# Altium PCB TEBF0808ASCII.PcbDoc (part 4 of 10)
Units mm, origin at the board's own origin, x right, y up, seen from the top; angles counter-clockwise.
Board outline 170 x 170 mm, 16 copper layers (L 01, L 02 G, L 03 S, L 04 G, L 05 S, L 06 G, L 07 P, L 08 P, L 09 P, L 10 P, L 11 G, L 12 S, L 13 G, L 14 S, L 15 G, L 16), stack 1.774 mm thick; 609 components, 869 nets, 3941 pads, 2358 vias.
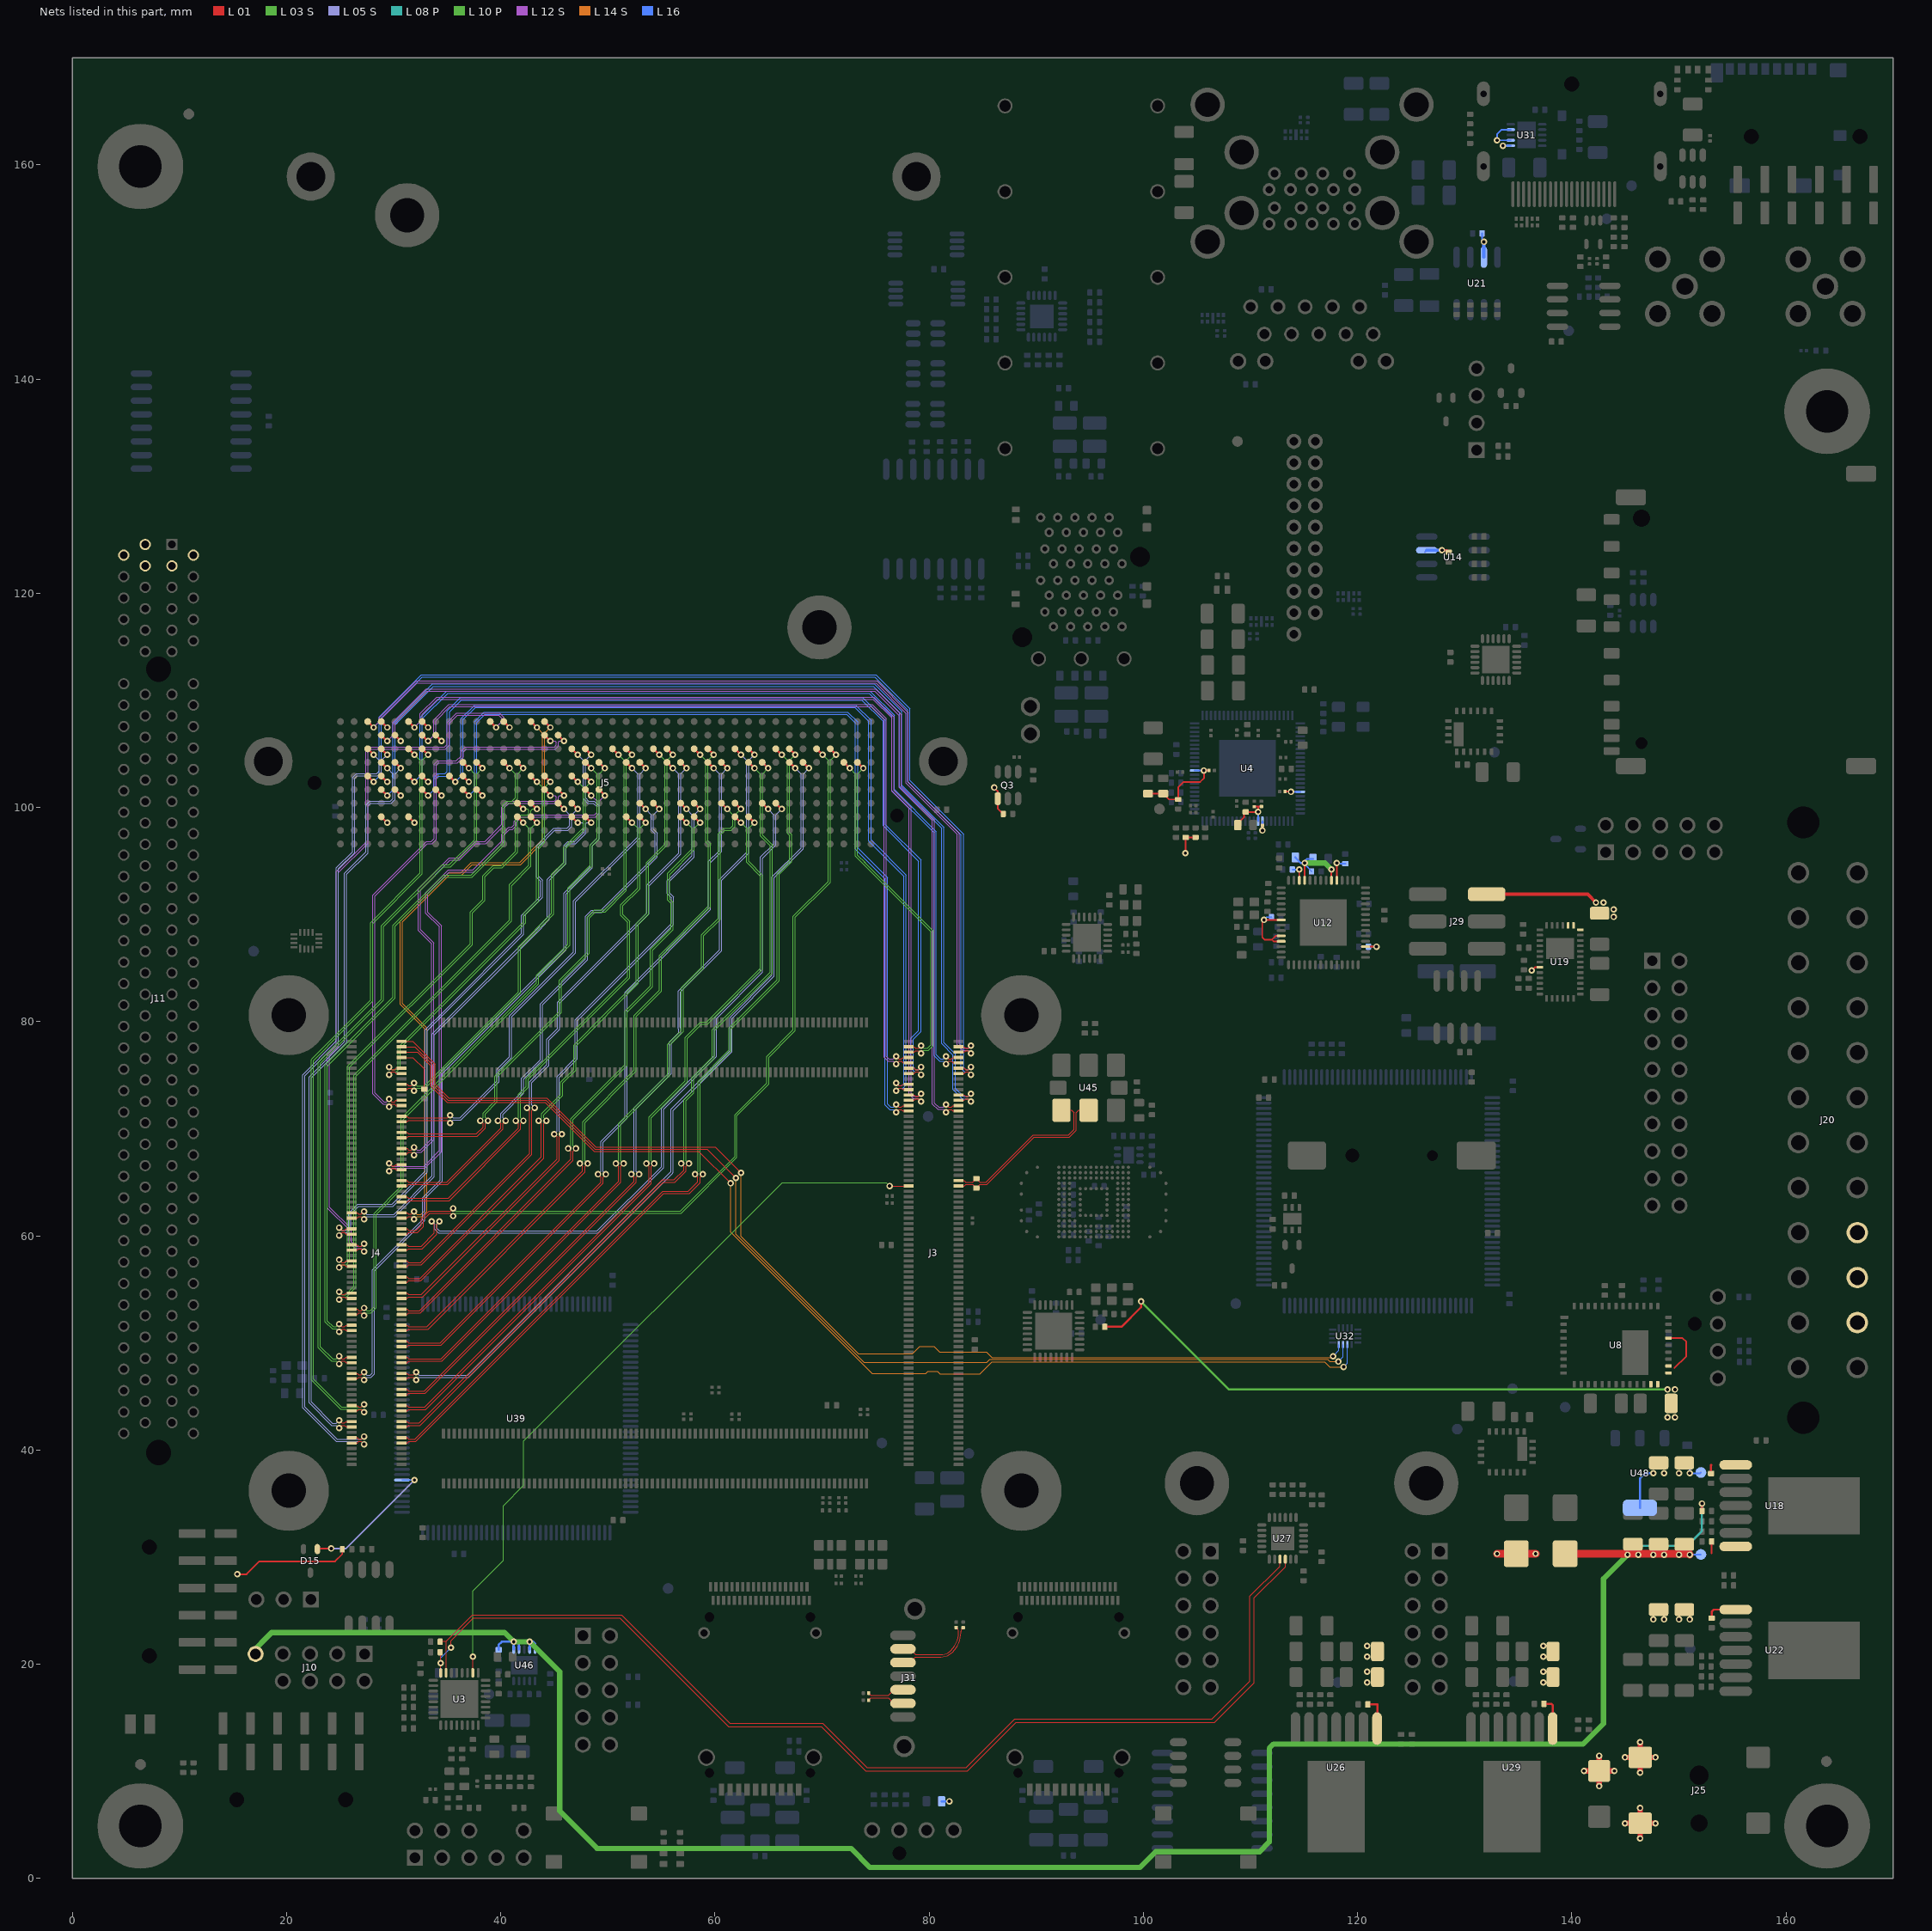
[diagram p14: the nets of this part, all layers, seen from the top]

## Via types
v1: diameter 0.6, hole 0.3, L 01 to L 16, 2358 vias

## Nets (pads, with @x,y where several pads share a name; then routed paths per layer and width w, separated by ;. In a path a pad name is that pad's centre, name@x,y a point inside that pad or via, vN(x,y) a via of type N, cw(c..) or ccw(c..) an arc to the next point about the centre after c; other vN are vias at no path point) (continued)
5V: C39.1 C71.1 C72.1 C73.1 C74.1 C79.2 C82.1 C99.2 C207.1 D13.2 J10.9 J29.5 Q3.4 R55.1 R65.1 R80.1 R83.2 R205.2 TP6.1 U8.21 U8.22 U8.23 U8.24 U8.28 U14.7 U18.7 U19.19 U19.20 U19.21 U19.33 U21.7 U31.1 U31.2 U31.4 U46.1 U46.2 U46.4 U46.5 | length 297
  L 01 w0.15: v1(86.075,101.85) 86.4,101.525 Q3.4@86.4,100.82 86.4,99.905 R205.2@86.905,99.4 ; v1(103.925,95.725) 103.925,97.18 R80.1@103.95,97.205 R83.2@104.86,97.205 ; J29.5@132.05,91.89 J29.5@132.09,91.85 ; v1(136.25,84.775) 136.55,85.075 U19.33@137,85.075 ; U8.28@149.026,50.441 150.336,50.441 150.676,50.101 150.676,48.751 149.576,47.651 ; 153.05,30.35 C71.1@153.05,31.45
  L 01 w0.2: R65.1@96.395,51.5 97.95,51.5 99.775,53.325 v1(99.775,53.875) ; v1(127.88,124.01) 128.315,124.01 C39.1@128.5,123.825 ; R55.1@152.15,34.3 v1(152.15,35)
  L 01 w0.3: J29.5@131.165,91.89 J29.5@132.05,91.89 141.485,91.89 v1(142.25,91.125)
  L 01 w0.75: D13.2@139.366,30.316 150.914,30.316 v1(151,30.23)
  L 03 S w0.15: v1@86.05,101.85 v1(86.075,101.85)
  L 08 P w0.2: v1(145.2,30.23) 146.02,31.05 150.75,31.05 152.15,32.45 v1(152.15,35)
  L 10 P w0.2: v1(99.775,53.875) 107.999,45.651 v1(148.926,45.651)
  L 10 P w0.5: J10.9@16.61,20.96 18.6,22.95 40.35,22.95 v1(41.2,22.1) v1(42.7,22.1) 45.5,19.3 45.5,6.3 49,2.8 72.7,2.8 74.475,1.025 99.665,1.025 101.14,2.5 110.85,2.5 111.75,3.4 111.75,12.15 112.15,12.55 141.05,12.55 142.95,14.45 142.95,27.98 v1(145.2,30.23) v1(146.2,30.23) v1(147.6,30.23) v1(148.6,30.23) v1(150,30.23) v1(151,30.23)
  L 16 w0.15: U14.7@126.265,123.825 U14.7@126.45,124.01 ; C82.1@131.625,153.6 131.625,152.965 v1(131.785,152.805) ; v1(133.565,161.785) U31.1@134.295,161.785 ; U31.2@134.295,162.285 v1(133.015,162.285) 133.015,162.84 133.46,163.285 U31.4@134.295,163.285 ; v1(151,30.23) 152.03,30.23 TP6.1@152.05,30.25
  L 16 w0.2: C207.1@39.8,21.35 39.8,21.8 40.1,22.1 v1(41.2,22.1) ; U46.1@41.2,21.37 v1(41.2,22.1) ; U46.2@41.7,21.37 41.7,22.1 ; U46.4@42.7,21.37 v1(42.7,22.1) ; U46.5@43.2,21.37 43.2,21.92 43.02,22.1 v1(42.7,22.1) ; v1(41.2,22.1) 41.7,22.1 ; 41.7,22.1 v1(42.7,22.1)
  L 16 w0.3: U14.7@126.45,124.01 v1(127.88,124.01) ; U21.7@131.785,151.375 v1(131.785,152.805)
  other v1: 148.926,43.051 149.626,43.051 149.626,45.651 143.9,89.775 143.9,90.475 142.95,91.125
5V_EN: D15.1 U39.115 | length 12.9
  L 01 w0.15: D15.1@22.875,30.75 22.925,30.8 v1(24.175,30.8)
  L 05 S w0.15: v1(24.175,30.8) 25.55,30.8 v1(31.95,37.2)
  L 16 w0.15: U39.115@30.78,37.2 v1(31.95,37.2)
5VSBIN: D12.2 J20.9 | length 3.6
  L 01 w0.75: v1(133.016,30.316) D12.2@134.816,30.316 v1(136.616,30.316)
12V: C65.2 C66.2 C68.1 C125.2 C126.2 C128.1 C156.2 C157.2 C166.1 C174.2 C184.2 C186.1 D11.1 J5.C35 J5.C37 J11.A2 J11.A3 J11.B1 J11.B2 J11.B3 J20.10 J20.11 J25.1 L19.2 L21.2 R150.2 TP11.1 U18.1 U22.1 U26.1 U29.1 U48.4 | length 46.9
  L 01 w0.15: v1(15.4,28.4) 16.265,28.4 17.465,29.6 24.525,29.6 25.2,30.275 R150.2@25.2,30.725
  L 01 w0.2: J5.C37@28.846,99.125 v1(29.395,98.576) ; J5.C35@31.386,99.125 v1(31.935,98.576) ; C166.1@120.95,16.25 121.85,16.25 121.85,14 U26.1@121.81,14 ; C186.1@137.4,16.3 138.1,16.3 138.21,16.19 U29.1@138.21,14 ; C68.1@153,37.8 153,38.6 153.01,38.61 ; C128.1@153.05,24.3 153.05,24.9 153.25,25.1 U22.1@155.3,25.1
  L 01 w0.3: v1@147.59,37.84 v1(147.6,37.83)
  L 01 w0.5: v1(141.13,10.035) D11.1@142.55,10.035 ; v1(142.55,8.615) D11.1@142.55,10.035 ; v1(142.55,11.455) D11.1@142.55,10.035 ; v1(143.97,10.035) D11.1@142.55,10.035 ; v1(144.96,5.15) J25.1@146.38,5.15 ; v1(144.96,11.3) J25.1@146.38,11.3 ; v1(146.38,3.73) J25.1@146.38,5.15 ; v1(146.38,6.57) J25.1@146.38,5.15 ; v1(146.38,9.88) J25.1@146.38,11.3 ; v1(146.38,12.72) J25.1@146.38,11.3 ; v1(147.8,5.15) J25.1@146.38,5.15 ; v1(147.8,11.3) J25.1@146.38,11.3
  L 16 w0.15: v1(151,37.83) 151.98,37.83 TP11.1@152.05,37.9
  L 16 w0.2: L19.2@81.16,7.2 v1(81.875,7.2) ; U48.4@146.35,34.6 146.35,37.35 146.83,37.83 v1(147.6,37.83) ; L21.2@150.775,39.015 151,38.79 v1(151,37.83)
  L 16 w0.3: v1@120.885,20.705 v1(120.89,20.7)
  other v1: 120.89,18.3 137.33,18.3 120.89,19.3 137.33,19.3 137.33,20.7 120.89,21.7 137.33,21.7 147.6,24.18 148.6,24.18 150,24.18 151,24.18 148.6,37.83 150,37.83
A2_N: C200.2 J31.3 | length 7.6
  L 01 w0.1: J31.3@77.55,20.155 78.205,20.155 78.73,20.68 81.084,20.68 ccw(c81.084,22.266) 82.206,21.144 ccw(c80.384,22.966) 82.96,22.966 82.96,23.075 cw(c83.28,23.075) 83.054,23.301 C200.2@83.175,23.423
A2_P: C197.2 J31.2 | length 7.2
  L 01 w0.1: J31.2@77.55,21.425 78.2,21.425 78.725,20.9 81.084,20.9 ccw(c81.084,22.266) 82.05,21.3 ccw(c80.384,22.966) 82.74,22.966 82.74,23.075 ccw(c82.42,23.075) 82.646,23.301 C197.2@82.525,23.423
A_I2C_SCL: R5.1 U3.32 U27.4 | length 102.4
  L 01 w0.1: R5.1@34.345,21.125 34.39,21.08 v1(34.39,20.1) U3.32@34.39,19.19 ; v1(35.35,21.55) 35.35,22.2 37.45,24.3 51.131,24.3 61.249,14.182 69.918,14.182 74.068,10.032 83.572,10.032 88.115,14.575 106.651,14.575 110.35,18.274 110.35,26.2 113.25,29.1 U27.4@113.25,29.8
  L 16 w0.1: v1(34.39,20.1) 34.39,20.59 v1(35.35,21.55)
A_I2C_SDA: R4.1 U3.31 U27.3 | length 101.3
  L 01 w0.1: R4.1@34.385,22.14 34.89,22.14 ; U3.31@34.89,19.19 34.89,22.14 ; U27.3@112.75,29.8 112.75,29.15 109.95,26.35 109.95,18.439 106.404,14.893 87.983,14.893 83.44,10.35 74.2,10.35 70.05,14.5 61.381,14.5 51.263,24.618 37.368,24.618 34.89,22.14
ADC_SDATA: J3.55 U3.26 | length 69.7
  L 01 w0.1: U3.26@37.39,19.19 v1(37.39,20.7) ; v1(76.3,64.653) J3.55@78.07,64.653
  L 03 S w0.1: v1(37.39,20.7) 37.39,26.84 40.236,29.686 40.236,34.786 42.15,36.7 42.15,40.84 66.265,64.955 75.998,64.955 v1(76.3,64.653)
AVDD3: C33.2 C34.2 L7.2 U12.20 U12.25 | length 8.6
  L 01 w0.15: U12.25@115.05,93.19 v1(115.05,94.8) ; U12.20@117.55,93.19 v1(117.55,94.2)
  L 03 S w0.5: v1(115.05,94.8) 116.95,94.8 v1(117.55,94.2)
  L 16 w0.15: C33.2@115.7,94.025 115.05,94.675 v1(115.05,94.8) 115.05,95 115.25,95.2 C34.2@115.84,95.2
  L 16 w0.2: L7.2@114.185,95.325 114.71,94.8 v1(115.05,94.8)
AVDD18: C29.1 C30.1 C31.1 C32.1 U12.3 U12.19 U12.26 U12.35 U12.38 U12.39 | length 12.9
  L 01 w0.15: U12.39@112.86,87.5 112.15,87.5 112,87.65 ; U12.38@112.86,88 112.35,88 112,87.65 ; U12.35@112.86,89.5 v1(111.25,89.5) 111.1,89.35 111.1,87.85 111.3,87.65 112,87.65 ; U12.26@114.55,93.19 v1(114.55,94.2) ; U12.19@118.05,93.19 v1(118.05,94.8) ; U12.3@120.74,87 v1(121.75,87)
  L 16 w0.15: v1@111.24,89.51 v1(111.25,89.5) 111.5,89.75 C30.1@111.95,89.75 ; C29.1@113.9,94.2 v1(114.55,94.2) ; v1(118.05,94.8) 118.1,94.75 C32.1@118.85,94.75 ; C31.1@121,87 v1(121.75,87)
AVDD_CORE: C89.2 C91.2 C95.2 C204.1 L3.1 R8.2 U4.8 U4.33 U4.83 | length 11.8
  L 01 w0.15: C204.1@100.425,101.29 L3.1@101.85,101.29 102.395,100.745 R8.2@103.25,100.745 103.25,101.875 103.75,102.375 105.3,102.375 105.65,102.725 v1(105.65,103.45) C95.2@106.123,103.45 ; v1@111.095,97.825 v1(111.11,97.84) 111.111,97.841 C89.2@111.111,98.318 ; C91.2@113.227,101.475 113.745,101.475 v1(113.77,101.45)
  L 16 w0.15: U4.33@104.775,103.45 v1(105.65,103.45) ; v1(111.11,97.84) U4.8@111.11,98.715 ; v1(113.77,101.45) U4.83@114.645,101.45
AVDD_SS: C205.1 C206.1 C208.2 L22.2 U4.9 | length 4.7
  L 01 w0.15: L22.2@108.815,98.35 108.815,98.515 109.4,99.1 109.4,99.425 C208.2@109.55,99.575 110.695,99.575 v1(110.71,99.59) 110.71,100.073 ; C205.1@110.364,100.073 110.71,100.073 ; C206.1@111.014,100.075 111.012,100.073 110.71,100.073
  L 16 w0.15: U4.9@110.71,98.715 v1(110.71,99.59)
B2_N: C202.2 J31.5 | length 3.5
  L 01 w0.1: C202.2@74.352,17.3 74.567,17.085 76.185,17.085 76.715,17.615 J31.5@77.55,17.615
B2_P: C203.2 J31.6 | length 3.5
  L 01 w0.1: C203.2@74.352,16.65 74.552,16.85 76.2,16.85 76.705,16.345 J31.6@77.55,16.345
B47_L5_N: J3.54 R180.2 U45.4 | length 16
  L 01 w0.1: J3.54@82.74,65.153 83.255,65.153 83.395,65.013 84.068,65.013 R180.2@84.4,65.345 84.735,65.01 85.299,65.01 89.714,69.425 93,69.425 93.507,69.932 93.507,71.5 93.283,71.725 U45.4@92.347,71.725
B47_L5_P: J3.56 R180.1 U45.5 | length 16.3
  L 01 w0.1: J3.56@82.74,64.653 83.255,64.653 83.395,64.793 84.062,64.793 R180.1@84.4,64.455 84.735,64.79 85.39,64.79 89.805,69.205 93.091,69.205 93.727,69.841 93.727,71.5 93.952,71.725 U45.5@94.887,71.725
B48_L1_N: J3.17 J5.F31 | length 83.1
  L 01 w0.1: v1(76.908,74.263) 77.158,74.013 77.415,74.013 77.555,74.153 J3.17@78.07,74.153
  L 01 w0.2: J5.F31@36.466,102.935 v1(37.015,102.386)
  L 16 w0.1: v1(37.015,102.386) 36.49,102.911 36.49,108.19 37.63,109.33 73.07,109.33 74.35,108.05 74.35,96.864 77.63,93.584 77.63,74.193 77.45,74.013 77.158,74.013 v1(76.908,74.263)
B48_L1_P: J3.19 J5.F32 | length 84.2
  L 01 w0.1: v1(76.908,73.543) 77.158,73.793 77.415,73.793 77.555,73.653 J3.19@78.07,73.653
  L 01 w0.2: J5.F32@35.196,102.935 v1(35.745,102.386)
  L 16 w0.1: v1(35.745,102.386) 36.27,102.911 36.27,108.282 37.539,109.55 73.161,109.55 74.57,108.141 74.57,96.955 77.85,93.675 77.85,74.102 77.541,73.793 77.158,73.793 v1(76.908,73.543)
B48_L2_N: J3.21 J5.K35 | length 86.2
  L 01 w0.1: J3.21@78.07,73.153 78.585,73.153 78.725,73.013 78.982,73.013 v1(79.232,73.263)
  L 01 w0.2: J5.K35@31.386,108.015 v1(31.935,107.466)
  L 12 S w0.08: v1(31.935,107.466) 32.47,108.001 32.47,108.753 34.017,110.3 74.831,110.3 76.7,108.431 76.7,101.6 78.3,100 78.3,73.303 78.6,73.003 78.972,73.003 v1(79.232,73.263)
B48_L2_P: J3.23 J5.K34 | length 85.9
  L 01 w0.1: J3.23@78.07,72.653 78.585,72.653 78.725,72.793 78.982,72.793 v1(79.232,72.543)
  L 01 w0.2: J5.K34@32.656,108.015 v1(33.205,107.466)
  L 12 S w0.08: v1(33.205,107.466) 32.67,108.001 32.67,108.67 34.1,110.1 74.749,110.1 76.5,108.349 76.5,101.517 78.1,99.917 78.1,73.22 78.517,72.803 78.972,72.803 v1(79.232,72.543)
B48_L3_N: J3.7 J5.J34 | length 80.3
  L 01 w0.1: v1(76.908,76.763) 77.158,76.513 77.415,76.513 77.555,76.653 J3.7@78.07,76.653
  L 01 w0.2: J5.J34@32.656,106.745 v1(33.205,106.196)
  L 12 S w0.08: v1(33.205,106.196) 33.74,106.731 33.74,108.173 35.167,109.6 74.683,109.6 76,108.283 76,76.75 76.247,76.503 76.648,76.503 v1(76.908,76.763)
B48_L3_P: J3.9 J5.J33 | length 80
  L 01 w0.1: v1(76.908,76.043) 77.158,76.293 77.415,76.293 77.555,76.153 J3.9@78.07,76.153
  L 01 w0.2: J5.J33@33.926,106.745 v1(34.475,106.196)
  L 12 S w0.08: v1(34.475,106.196) 33.94,106.731 33.94,108.09 35.25,109.4 74.6,109.4 75.8,108.2 75.8,76.667 76.164,76.303 76.648,76.303 v1(76.908,76.043)
B48_L4_N: J3.11 J5.E34 | length 88.5
  L 01 w0.1: J3.11@78.07,75.653 78.585,75.653 78.725,75.513 78.982,75.513 v1(79.232,75.763)
  L 01 w0.2: J5.E34@32.656,101.665 v1(33.205,101.116)
  L 16 w0.1: v1(33.205,101.116) 33.73,101.641 33.73,102.792 34.089,103.15 34.8,103.15 35,103.35 35,109.011 36.239,110.25 73.8,110.25 75.92,108.13 75.92,98.391 79.237,95.074 79.237,79.076 78.5,78.339 78.5,75.75 78.737,75.513 78.982,75.513 v1(79.232,75.763)
B48_L4_P: J3.13 J5.E33 | length 88.1
  L 01 w0.1: J3.13@78.07,75.153 78.585,75.153 78.725,75.293 78.982,75.293 v1(79.232,75.043)
  L 01 w0.2: J5.E33@33.926,101.665 v1(34.475,101.116)
  L 16 w0.1: v1(34.475,101.116) 33.95,101.641 33.95,102.7 34.18,102.93 34.891,102.93 35.22,103.259 35.22,108.92 36.33,110.03 73.709,110.03 75.7,108.039 75.7,98.3 79.017,94.983 79.017,79.167 78.28,78.43 78.28,75.659 78.646,75.293 78.982,75.293 v1(79.232,75.043)
B48_L5_N: J3.25 J5.E31 | length 83.6
  L 01 w0.1: v1(76.908,72.263) 77.158,72.013 77.415,72.013 77.555,72.153 J3.25@78.07,72.153
  L 01 w0.2: J5.E31@36.466,101.665 v1(37.015,101.116)
  L 16 w0.1: v1(37.015,101.116) 37.54,101.641 37.54,108.002 38.439,108.9 72.4,108.9 73.33,107.969 73.33,96.195 76.1,93.425 76.1,72.313 76.4,72.013 76.658,72.013 v1(76.908,72.263)
B48_L5_P: J3.27 J5.E30 | length 83.2
  L 01 w0.1: v1(76.908,71.543) 77.158,71.793 77.415,71.793 77.555,71.653 J3.27@78.07,71.653
  L 01 w0.2: J5.E30@37.736,101.665 v1(38.285,101.116)
  L 16 w0.1: v1(38.285,101.116) 37.76,101.641 37.76,107.91 38.53,108.68 72.309,108.68 73.11,107.878 73.11,96.103 75.88,93.334 75.88,72.222 76.309,71.793 76.658,71.793 v1(76.908,71.543)
B48_L6_N: J3.3 J5.G3 | length 32.3
  L 01 w0.1: J3.3@78.07,77.653 78.585,77.653 78.725,77.513 78.982,77.513 v1(79.232,77.763)
  L 01 w0.2: J5.G3@72.026,104.205 v1(72.575,103.656)
  L 03 S w0.08: v1(72.575,103.656) 73.11,103.121 73.11,95.465 80.175,88.4 80.175,77.828 79.85,77.503 79.492,77.503 v1(79.232,77.763)
B48_L6_P: J3.5 J5.G2 | length 32.7
  L 01 w0.1: J3.5@78.07,77.153 78.585,77.153 78.725,77.293 78.982,77.293 v1(79.232,77.043)
  L 01 w0.2: J5.G2@73.296,104.205 v1(73.845,103.656)
  L 03 S w0.08: v1(73.845,103.656) 73.31,103.121 73.31,95.547 74.016,94.841 ; 73.916,94.941 80.375,88.483 80.375,77.745 79.933,77.303 79.492,77.303 v1(79.232,77.043)
B48_L8_N: J3.4 J5.K38 | length 89.5
  L 01 w0.1: J3.4@82.74,77.653 83.255,77.653 83.395,77.513 83.652,77.513 v1(83.902,77.763)
  L 01 w0.2: J5.K38@27.576,108.015 v1(28.125,107.466)
  L 12 S w0.08: v1(28.125,107.466) 28.66,108.001 28.66,108.36 32.1,111.8 75.099,111.8 78,108.899 78.05,108.849 78.05,102.333 82.8,97.583 82.8,77.9 83.197,77.503 83.642,77.503 v1(83.902,77.763)
B48_L8_P: J3.6 J5.K37 | length 89.2
  L 01 w0.1: J3.6@82.74,77.153 83.255,77.153 83.395,77.293 83.652,77.293 v1(83.902,77.043)
  L 01 w0.2: J5.K37@28.846,108.015 v1(29.395,107.466)
  L 12 S w0.08: v1(29.395,107.466) 28.86,108.001 28.86,108.278 32.183,111.6 75.016,111.6 77.85,108.766 77.85,102.25 82.6,97.5 82.6,77.817 83.114,77.303 83.642,77.303 v1(83.902,77.043)
B48_L9_N: J3.8 J5.F35 | length 89.1
  L 01 w0.1: v1(81.578,76.763) 81.828,76.513 82.085,76.513 82.225,76.653 J3.8@82.74,76.653
  L 01 w0.2: J5.F35@31.386,102.935 v1(31.935,102.386)
  L 16 w0.1: v1(31.935,102.386) 32.46,102.911 32.46,108.372 34.959,110.87 74.48,110.87 76.75,108.6 76.75,101.65 80.65,97.75 80.65,76.913 81.05,76.513 81.328,76.513 v1(81.578,76.763)
B48_L9_P: J3.10 J5.F34 | length 88.7
  L 01 w0.1: v1(81.578,76.043) 81.828,76.293 82.085,76.293 82.225,76.153 J3.10@82.74,76.153
  L 01 w0.2: J5.F34@32.656,102.935 v1(33.205,102.386)
  L 16 w0.1: v1(33.205,102.386) 32.68,102.911 32.68,108.28 35.05,110.65 74.389,110.65 76.53,108.509 76.53,101.559 80.43,97.659 80.43,76.822 80.959,76.293 81.328,76.293 v1(81.578,76.043)
B48_L10_N: J3.22 J5.E37 | length 98.3
  L 01 w0.1: J3.22@82.74,73.153 83.255,73.153 83.395,73.013 83.652,73.013 v1(83.902,73.263)
  L 01 w0.2: J5.E37@28.846,101.665 v1(29.395,101.116)
  L 16 w0.1: v1(29.395,101.116) 29.92,101.641 29.92,107.832 33.609,111.52 74.88,111.52 77.45,108.95 77.45,102.05 81.37,98.13 81.37,78.03 82.45,76.95 82.45,73.763 83.2,73.013 83.652,73.013 v1(83.902,73.263)
B48_L10_P: J3.24 J5.E36 | length 97.9
  L 01 w0.1: J3.24@82.74,72.653 83.255,72.653 83.395,72.793 83.652,72.793 v1(83.902,72.543)
  L 01 w0.2: J5.E36@30.116,101.665 v1(30.665,101.116)
  L 16 w0.1: v1(30.665,101.116) 30.14,101.641 30.14,107.74 33.7,111.3 74.789,111.3 77.23,108.859 77.23,101.959 81.15,98.039 81.15,77.939 82.23,76.859 82.23,73.672 83.109,72.793 83.652,72.793 v1(83.902,72.543)
B48_L11_N: J3.26 J5.J37 | length 92.7
  L 01 w0.1: v1(81.578,72.263) 81.828,72.013 82.085,72.013 82.225,72.153 J3.26@82.74,72.153
  L 01 w0.2: J5.J37@28.846,106.745 v1(29.395,106.196)
  L 12 S w0.08: v1(29.395,106.196) 29.93,106.731 29.93,107.963 33.017,111.05 75.001,111.05 75.101,110.95 77.4,108.651 77.4,101.951 78.8,100.551 80.5,98.851 80.5,72.4 80.897,72.003 81.318,72.003 v1(81.578,72.263)
B48_L11_P: J3.28 J5.J36 | length 92.4
  L 01 w0.1: v1(81.578,71.543) 81.828,71.793 82.085,71.793 82.225,71.653 J3.28@82.74,71.653
  L 01 w0.2: J5.J36@30.116,106.745 v1(30.665,106.196)
  L 12 S w0.08: v1(30.665,106.196) 30.13,106.731 30.13,107.88 33.1,110.85 74.918,110.85 77.2,108.568 77.2,101.869 80.3,98.769 80.3,72.317 80.814,71.803 81.318,71.803 v1(81.578,71.543)
B48_L12_N: J3.12 J5.F38 | length 97.3
  L 01 w0.1: J3.12@82.74,75.653 83.255,75.653 83.395,75.513 83.652,75.513 v1(83.902,75.763)
  L 01 w0.2: J5.F38@27.576,102.935 v1(28.125,102.386)
  L 16 w0.1: v1(28.125,102.386) 28.65,102.911 28.65,108.45 32.584,112.384 75.016,112.384 78.2,109.2 78.2,102.5 83.2,97.5 83.2,75.708 83.395,75.513 83.652,75.513 v1(83.902,75.763)
B48_L12_P: J3.14 J5.F37 | length 97
  L 01 w0.1: J3.14@82.74,75.153 83.255,75.153 83.395,75.293 83.652,75.293 v1(83.902,75.043)
  L 01 w0.2: J5.F37@28.846,102.935 v1(29.395,102.386)
  L 16 w0.1: v1(29.395,102.386) 28.87,102.911 28.87,108.359 32.675,112.164 74.925,112.164 77.98,109.109 77.98,102.409 82.98,97.409 82.98,75.617 83.304,75.293 83.652,75.293 v1(83.902,75.043)
B64_L1_N: J4.138 J5.C11 | length 71.8
  L 01 w0.1: J4.138@30.74,44.153 31.255,44.153 31.395,44.013 32.902,44.013 53.84,64.951 53.84,66.5 v1(53.59,66.75)
  L 01 w0.2: J5.C11@61.866,99.125 v1(62.415,98.576)
  L 03 S w0.08: v1(53.59,66.75) 53.85,67.01 53.85,71.108 57.22,74.478 57.22,78.52 58.65,79.95 59.217,79.95 64.25,84.983 64.25,93.578 62.95,94.878 62.95,98.041 v1(62.415,98.576)
B64_L1_P: J4.140 J5.C10 | length 72.2
  L 01 w0.1: J4.140@30.74,43.653 31.255,43.653 31.395,43.793 32.993,43.793 54.06,64.86 54.06,66.5 v1(54.31,66.75)
  L 01 w0.2: J5.C10@63.136,99.125 v1(63.685,98.576)
  L 03 S w0.08: v1(54.31,66.75) 54.05,67.01 54.05,71.025 57.42,74.395 57.42,78.437 58.733,79.75 59.3,79.75 64.45,84.9 64.45,93.661 63.15,94.961 63.15,98.041 v1(63.685,98.576)
B64_L2_N: J4.132 J5.H11 | length 75.3
  L 01 w0.1: J4.132@30.74,45.653 31.255,45.653 31.395,45.513 32.863,45.513 52.44,65.09 52.44,65.5 v1(52.19,65.75)
  L 01 w0.2: J5.H11@61.866,105.475 v1(62.415,104.926)
  L 05 S w0.08: v1(52.19,65.75) 52.45,66.01 52.45,71.95 55.716,75.216 55.716,78.067 56.595,78.946 56.595,79.31 56.59,79.316 56.59,82.84 56.95,83.2 60.439,86.689 60.439,93.289 62.95,95.8 62.95,104.391 v1(62.415,104.926)
B64_L2_P: J4.134 J5.H10 | length 75.6
  L 01 w0.1: J4.134@30.74,45.153 31.255,45.153 31.395,45.293 32.954,45.293 52.66,64.999 52.66,65.5 v1(52.91,65.75)
  L 01 w0.2: J5.H10@63.136,105.475 v1(63.685,104.926)
  L 05 S w0.08: v1(52.91,65.75) 52.65,66.01 52.65,71.867 55.916,75.133 55.916,77.984 56.795,78.863 56.795,79.393 56.79,79.398 56.79,82.757 60.639,86.606 60.639,93.206 63.15,95.718 63.15,104.391 v1(63.685,104.926)
B64_L3_N: J4.120 J5.D12 | length 67.9
  L 01 w0.1: J4.120@30.74,48.653 31.255,48.653 31.395,48.513 34.427,48.513 50.99,65.076 50.99,66.5 v1(50.74,66.75)
  L 01 w0.2: J5.D12@60.596,100.395 v1(61.145,99.846)
  L 03 S w0.08: v1(50.74,66.75) 51,67.01 51,70.5 55.57,75.07 55.57,77.86 56.86,79.15 56.86,83.16 58.75,85.05 58.75,88.1 60.3,89.65 60.3,97.533 60.817,98.05 61.43,98.05 61.68,98.3 61.68,99.311 v1(61.145,99.846)
B64_L3_P: J4.122 J5.D11 | length 68.3
  L 01 w0.1: J4.122@30.74,48.153 31.255,48.153 31.395,48.293 34.518,48.293 51.21,64.985 51.21,66.5 v1(51.46,66.75)
  L 01 w0.2: J5.D11@61.866,100.395 v1(62.415,99.846)
  L 03 S w0.08: v1(51.46,66.75) 51.2,67.01 51.2,70.417 55.77,74.987 55.77,77.777 57.06,79.067 57.06,83.077 58.95,84.967 58.95,88.017 60.5,89.567 60.5,97.45 60.9,97.85 61.513,97.85 61.88,98.217 61.88,99.311 v1(62.415,99.846)
B64_L4_N: J4.116 J5.G12 | length 69.7
  L 01 w0.1: J4.116@30.74,49.653 31.255,49.653 31.395,49.793 34.443,49.793 49.56,64.91 49.56,65.5 v1(49.81,65.75)
  L 01 w0.2: J5.G12@60.596,104.205 v1(61.145,103.656)
  L 05 S w0.08: v1(49.81,65.75) 49.55,66.01 49.55,68.727 51.8,70.977 51.8,82.667 59.6,90.467 59.6,94.867 60.61,95.878 60.61,103.121 v1(61.145,103.656)
B64_L4_P: J4.114 J5.G13 | length 69.3
  L 01 w0.1: J4.114@30.74,50.153 31.255,50.153 31.395,50.013 34.352,50.013 49.34,65.001 49.34,65.5 v1(49.09,65.75)
  L 01 w0.2: J5.G13@59.326,104.205 v1(59.875,103.656)
  L 05 S w0.08: v1(49.09,65.75) 49.35,66.01 49.35,68.81 51.6,71.06 51.6,82.75 59.4,90.55 59.4,94.95 60.41,95.96 60.41,103.121 v1(59.875,103.656)